# Allegro board WNS_FDM_2V1-1221P2.brd (continued)
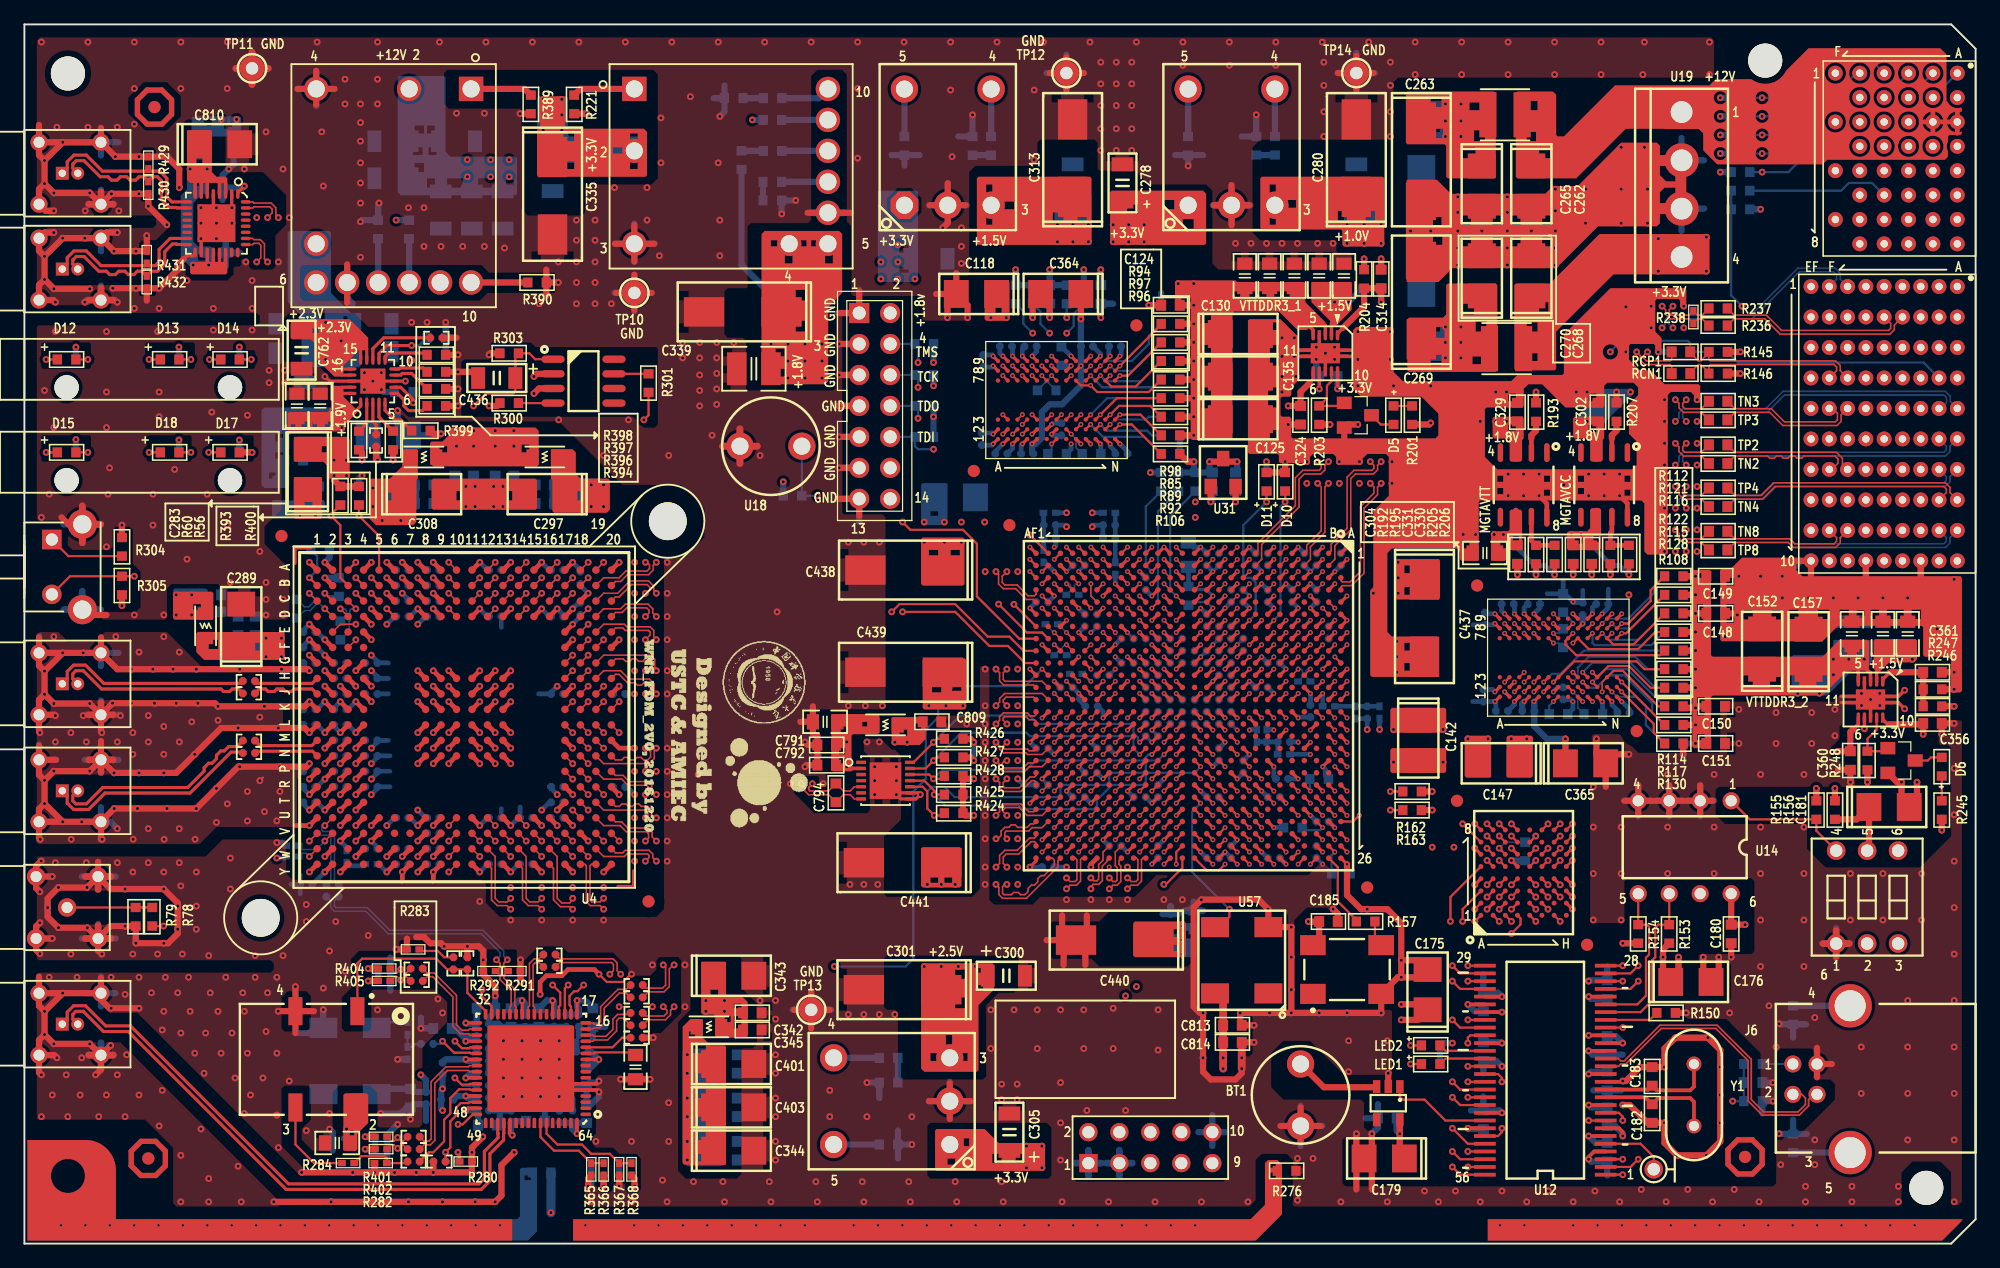
[diagram p0: board, top side]
## Routing (per net, layer and track width the routed paths; a pad name or vN(x,y) marks a point on that pad's centre or on a via; arc(x,y) is an arc through that point) (continued)
DDR3_1_WEN: length 34.8
  TOP w0.178: v1(87.45,52.12) U15.AB5 ; v1(85.83,67.99) U10.H3
  ART08 w0.119: v1(85.83,67.99) 86.23,68.39 86.23,75.18 v2(85.47,75.95)
  ART10 w0.119: v1(85.83,67.99) 86.11,67.99 86.23,67.87 86.23,66.8 86.36,66.67 86.61,66.67 86.74,66.55 86.74,66.29 86.61,66.17 86.36,66.17 86.23,66.04 86.23,65.15 86.36,65.02 86.51,65.02 86.61,64.92 86.61,64.75 86.51,64.64 86.36,64.64 86.23,64.52 86.23,64.32 86.37,64.18 86.56,64.18 86.68,64.06 86.68,63.89 86.56,63.76 86.37,63.76 86.25,63.64 86.25,63.47 86.37,63.35 86.56,63.35 86.68,63.23 86.68,63.06 86.56,62.94 86.37,62.94 86.25,62.81 86.25,62.64 86.37,62.52 86.56,62.52 86.7,62.38 86.7,62.18 86.56,62.04 86.37,62.04 86.23,61.91 86.23,61.71 86.37,61.57 86.56,61.57 86.7,61.43 86.7,61.23 86.56,61.09 86.37,61.09 86.23,60.95 86.23,60.7 86.37,60.56 86.47,60.56 86.61,60.42 86.61,60.22 86.47,60.08 86.37,60.08 86.23,59.94 86.23,59.74 86.37,59.6 86.47,59.6 86.61,59.46 86.61,59.27 86.47,59.13 86.37,59.13 86.23,58.99 86.23,58.79 86.37,58.65 86.47,58.65 86.61,58.51 86.61,58.31 86.47,58.17 86.37,58.17 86.23,58.03 86.23,57.79 86.36,57.66 86.84,57.66 86.96,57.53 86.96,53.71 86.84,53.59 86.61,53.59 86.49,53.47 86.49,53.21 86.57,53.13 87.49,53.13 87.63,52.99 87.63,52.79 87.49,52.65 87.1,52.65 86.96,52.51 86.96,52.24 87.08,52.12 v1(87.45,52.12)
  BOTTOM w0.178: R105.2 v2(85.47,75.95)
DDR3_2_A0: length 45.8
  TOP w0.178: U11.K3 v1(127.78,46.86) ; U15.A9 v1(108.45,49.12)
  ART10 w0.119: v1(108.45,49.12) 109.06,49.12 109.95,50.01 113.76,50.01 114.05,50.29 114.05,52.2 114.55,52.7 125.86,52.7 125.98,52.58 125.98,49.9 126.12,49.76 126.35,49.76 126.49,49.62 126.49,49.42 126.35,49.28 126.12,49.28 125.98,49.14 125.98,48.9 126.11,48.77 129.03,48.77 129.16,48.64 129.16,48.42 129.04,48.3 126.1,48.3 125.98,48.18 125.98,47.94 126.1,47.82 128.91,47.82 129.03,47.7 129.03,47.49 128.91,47.37 127.9,47.37 127.78,47.25 v1(127.78,46.86)
  BOTTOM w0.178: R107.2 133.73,45.59 131.7,47.62 128.55,47.62 v1(127.78,46.86)
DDR3_2_A1: length 44.2
  TOP w0.178: U11.L7 v1(129.38,50.06) ; U15.A8 v1(108.45,50.12)
  ART10 w0.119: v1(129.38,50.06) 129.14,50.06 128.74,50.45 127.6,50.45 127.38,50.67 127.38,51.31 127.51,51.44 127.9,51.44 128.02,51.55 128.02,51.72 127.9,51.84 127.5,51.84 127.38,51.96 127.38,52.2 127.51,52.32 127.64,52.32 127.76,52.44 127.76,52.7 127.63,52.83 127.5,52.83 127.38,52.95 127.38,53.09 127,53.47 114.3,53.47 113.2,52.37 113.2,51.07 113.06,50.93 112.87,50.93 112.73,51.07 112.73,52.2 112.61,52.32 112.37,52.32 112.25,52.2 112.25,51.07 112.11,50.93 111.91,50.93 111.77,51.07 111.77,52.06 111.63,52.2 111.43,52.2 111.29,52.06 111.29,51.07 111.15,50.93 110.96,50.93 110.82,51.07 110.82,52.06 110.68,52.2 110.48,52.2 110.34,52.06 110.34,51.07 110.2,50.93 110,50.93 109.86,51.07 109.86,52.06 109.72,52.2 109.47,52.2 109.35,52.07 109.35,50.67 108.79,50.12 v1(108.45,50.12)
  BOTTOM w0.178: R118.2 132.33,49.53 129.91,49.53 v1(129.38,50.06)
DDR3_2_A2: length 44.6
  TOP w0.178: v1(128.58,46.86) 128.98,46.46 U11.L3 129.89,47.37 131.57,47.37 133.35,45.59 R108.2 ; U15.C9 v1(106.45,49.12)
  ART03 w0.119: v1(128.58,46.86) 127.81,47.62 127.38,47.62 127.13,47.37 126.75,47.37 126.62,47.5 126.62,47.75 126.49,47.88 124.71,47.88 124.08,48.51 120.44,48.51 120.3,48.65 120.3,49.26 120.16,49.4 119.96,49.4 119.82,49.26 119.82,48.65 119.68,48.51 119.43,48.51 119.29,48.65 119.29,50.41 119.15,50.55 118.96,50.55 118.82,50.41 118.82,48.65 118.68,48.51 118.48,48.51 118.34,48.65 118.34,50.41 118.2,50.55 118,50.55 117.86,50.41 117.86,48.65 117.72,48.51 117.47,48.51 117.35,48.64 117.35,49.41 117.23,49.53 116.46,49.53 116.33,49.66 116.33,49.91 116.46,50.04 117.22,50.04 117.35,50.16 117.35,50.42 117.22,50.55 111.12,50.55 111,50.43 111,49.78 110.84,49.62 107.28,49.62 106.78,49.12 v1(106.45,49.12)
DDR3_2_A3: length 47.4
  TOP w0.178: U11.K2 v1(127.78,46.06) ; U15.D9 v1(105.45,49.12)
  ART03 w0.119: v1(127.78,46.06) 127.38,46.46 126.52,46.46 125.98,46.99 124.33,46.99 123.57,47.75 122.17,47.75 122.05,47.62 122.05,47.11 121.93,46.99 121.35,46.99 121.21,47.13 121.21,47.61 121.07,47.75 120.87,47.75 120.73,47.61 120.73,47.13 120.59,46.99 120.39,46.99 120.25,47.13 120.25,47.61 120.11,47.75 119.91,47.75 119.77,47.61 119.77,47.13 119.63,46.99 119.44,46.99 119.3,47.13 119.3,47.61 119.16,47.75 118.96,47.75 118.82,47.61 118.82,47.13 118.68,46.99 118.48,46.99 118.34,47.13 118.34,47.61 118.2,47.75 118,47.75 117.86,47.61 117.86,47.13 117.72,46.99 117.53,46.99 117.39,47.13 117.39,47.61 117.25,47.75 117.05,47.75 116.91,47.61 116.91,47.13 116.77,46.99 116.57,46.99 116.43,47.13 116.43,47.61 116.29,47.75 116.09,47.75 115.95,47.61 115.95,47.13 115.81,46.99 115.62,46.99 115.48,47.13 115.48,47.61 115.34,47.75 115.14,47.75 115,47.61 115,47.13 114.86,46.99 114.66,46.99 114.52,47.13 114.52,47.61 114.38,47.75 114.18,47.75 114.04,47.61 114.04,47.13 113.9,46.99 113.66,46.99 113.54,47.11 113.54,48.64 113.41,48.77 112.01,48.77 111.89,48.64 111.89,48.13 111.63,47.88 109.35,47.88 109.09,47.62 106.17,47.62 105.97,47.83 105.97,48.6 v1(105.45,49.12)
  BOTTOM w0.178: R109.2 133.48,43.56 133.48,44.32 131.19,46.61 129.92,46.61 128.91,45.59 128.24,45.59 v1(127.78,46.06)
DDR3_2_A4: length 45
  TOP w0.178: U15.D8 v1(105.45,50.12) ; U11.L8 v1(129.38,50.86)
  ART10 w0.119: v1(129.38,50.86) 129.78,51.26 129.78,52.06 129.92,52.2 130.68,52.2 130.81,52.32 130.81,54.1 130.68,54.23 130.44,54.23 130.3,54.09 130.3,52.84 130.16,52.7 129.96,52.7 129.82,52.84 129.82,54.09 129.68,54.23 129.43,54.23 129.29,54.09 129.29,53.61 129.15,53.47 128.96,53.47 128.82,53.61 128.82,54.09 128.68,54.23 128.4,54.23 128.27,54.1 128.27,53.72 128.14,53.59 127.89,53.59 127.76,53.72 127.76,54.1 127.64,54.23 113.41,54.23 113.16,53.98 110.24,53.98 107.95,51.69 107.95,50.93 107.66,50.64 105.97,50.64 v1(105.45,50.12)
  BOTTOM w0.127: v1(129.38,50.86) 129.78,51.25 131.14,51.25
  BOTTOM w0.178: 131.14,51.25 131.52,51.25 133.6,53.34 133.6,53.85 R110.2
DDR3_2_A5: length 45.7
  TOP w0.178: v1(128.58,46.06) 128.98,45.66 U11.L2 ; U15.F8 v1(103.45,50.12)
  ART03 w0.119: v1(103.45,50.12) 103.95,49.62 106.65,49.62 106.93,49.91 106.93,50.29 107.26,50.62 108.97,50.62 109.09,50.5 109.09,50.16 109.22,50.04 109.47,50.04 109.6,50.16 109.6,50.93 109.72,51.05 109.99,51.05 110.11,50.93 110.11,50.18 110.25,50.04 110.45,50.04 110.59,50.18 110.59,50.93 110.71,51.05 119.64,51.05 119.76,50.93 119.76,49.91 119.89,49.78 120.65,49.78 120.78,49.66 120.78,49.15 120.9,49.02 121.18,49.02 121.32,49.16 121.32,49.39 121.46,49.53 121.65,49.53 121.79,49.39 121.79,49.16 121.93,49.02 122.13,49.02 122.27,49.16 122.27,49.39 122.41,49.53 122.61,49.53 122.75,49.39 122.75,49.16 122.89,49.02 123.09,49.02 123.23,49.16 123.23,49.39 123.37,49.53 123.56,49.53 123.7,49.39 123.7,49.16 123.84,49.02 124.21,49.02 124.84,48.39 128.91,48.39 129.03,48.27 129.03,48 128.91,47.88 128.68,47.88 128.56,47.76 128.56,47.46 128.68,47.34 129.04,47.34 129.16,47.23 129.16,46.64 v1(128.58,46.06)
  BOTTOM w0.178: R119.2 131.44,47.12 129.64,47.12 v1(128.58,46.06)
DDR3_2_A6: length 43.5
  TOP w0.178: U11.M8 v1(130.18,50.86) ; U15.F9 v1(103.45,49.12)
  ART08 w0.119: v1(130.18,50.86) 129.78,51.26 129.78,51.96 128.27,53.47 116.97,53.47 114.55,51.05 114.2,51.05 114.08,50.93 114.08,49.9 113.96,49.78 113.72,49.78 113.6,49.9 113.6,51.06 113.48,51.18 113.12,51.18 113,51.06 113,50.69 112.86,50.55 112.66,50.55 112.52,50.69 112.52,50.93 112.39,51.05 112.13,51.05 112.01,50.93 112.01,50.67 111.89,50.55 111.63,50.55 111.51,50.67 111.51,50.93 111.39,51.05 111.16,51.05 111.04,50.93 111.04,49.8 110.92,49.68 110.62,49.68 110.5,49.8 110.5,50.68 110.38,50.8 110.15,50.8 110.03,50.68 110.03,49.8 109.85,49.62 103.95,49.62 v1(103.45,49.12)
  BOTTOM w0.127: 131.16,50.45 130.58,50.45 v1(130.18,50.86)
  BOTTOM w0.178: 131.16,50.45 131.73,50.45 R111.2
DDR3_2_A7: length 44.9
  TOP w0.178: v1(130.18,45.26) U11.M2 ; U15.H9 v1(101.45,49.12)
  ART03 w0.119: v1(130.18,45.26) 129.78,44.86 129.78,44.07 128.89,43.18 112.96,43.18 112.82,43.32 112.82,43.55 112.68,43.69 112.48,43.69 112.34,43.55 112.34,43.32 112.2,43.18 112.01,43.18 111.87,43.32 111.87,43.55 111.73,43.69 111.53,43.69 111.39,43.55 111.39,43.32 111.25,43.18 111.05,43.18 110.91,43.32 110.91,43.55 110.77,43.69 110.57,43.69 110.43,43.55 110.43,43.32 110.29,43.18 110.1,43.18 109.96,43.32 109.96,43.55 109.82,43.69 109.62,43.69 109.48,43.55 109.48,43.32 109.34,43.18 109.09,43.18 108.97,43.31 108.97,43.56 108.84,43.69 105.18,43.69 103.97,44.9 103.97,45.38 103.76,45.59 103.25,45.59 101.93,46.91 101.93,48.64 v1(101.45,49.12)
  BOTTOM w0.127: 131.19,44.86 130.58,44.86 v1(130.18,45.26)
  BOTTOM w0.178: R113.2 132.97,42.55 132.97,44.07 132.18,44.86 131.19,44.86
DDR3_2_A8: length 43.5
  TOP w0.178: U15.J10 v1(100.45,48.12) ; R112.2 133.35,53.59 133.35,52.7 131.5,50.86 v1(130.98,50.86) U11.N8
  ART10 w0.119: v1(130.98,50.86) 130.58,50.45 129.12,50.45 128.98,50.6 128.98,51.99 127.13,53.85 114.05,53.85 112.9,52.7 109.47,52.7 108.97,52.2 108.97,50.93 108.68,50.64 108.17,50.64 107.95,50.42 107.95,49.89 107.7,49.64 102.23,49.64 101.98,49.39 101.98,48.9 101.73,48.64 100.97,48.64 v1(100.45,48.12)
DDR3_2_A9: length 44.1
  TOP w0.127: U11.M3 129.38,46.06 v1(129.38,45.26)
  TOP w0.178: U15.G9 v1(102.45,49.12) ; U11.M3 130.31,46.98 131.07,46.98 133.99,44.07 R114.2
  ART03 w0.119: v1(129.38,45.26) 128.98,44.86 128.98,44.14 128.4,43.56 119.06,43.56 118.92,43.7 118.92,43.93 118.78,44.07 118.59,44.07 118.45,43.93 118.45,43.7 118.31,43.56 118.11,43.56 117.97,43.7 117.97,43.93 117.83,44.07 117.63,44.07 117.49,43.93 117.49,43.7 117.35,43.56 117.15,43.56 117.01,43.7 117.01,43.93 116.87,44.07 116.68,44.07 116.54,43.93 116.54,43.7 116.4,43.56 116.2,43.56 116.06,43.7 116.06,43.93 115.92,44.07 115.72,44.07 115.58,43.93 115.58,43.7 115.44,43.56 115.24,43.56 115.1,43.7 115.1,43.93 114.96,44.07 114.77,44.07 114.63,43.93 114.63,43.7 114.49,43.56 114.29,43.56 114.15,43.7 114.15,43.93 114.01,44.07 113.81,44.07 113.67,43.93 113.67,43.7 113.53,43.56 113.28,43.56 113.16,43.69 113.16,43.94 113.03,44.07 105.79,44.07 104.97,44.89 104.97,45.4 103.76,46.61 103.25,46.61 102.93,46.93 102.93,48.64 v1(102.45,49.12)
DDR3_2_A10: length 47.3
  TOP w0.178: U15.H14 v1(101.45,43.12) ; v1(126.98,50.06) U11.H7 126.36,49.44 126.36,49.15 127.25,48.26 134.11,48.26 R115.2
  ART08 w0.119: v1(101.45,43.12) 101.45,43.54 101.85,43.94 104.14,43.94 104.47,43.61 108.91,43.61 109.47,43.05 112.99,43.05 113.13,42.91 113.13,41.8 113.27,41.66 113.47,41.66 113.61,41.8 113.61,42.91 113.75,43.05 113.94,43.05 114.08,42.91 114.08,41.8 114.22,41.66 114.42,41.66 114.56,41.8 114.56,42.91 114.7,43.05 114.9,43.05 115.04,42.91 115.04,41.8 115.18,41.66 115.38,41.66 115.52,41.8 115.52,42.91 115.66,43.05 116.18,43.05 120.93,47.8 124.73,47.8 v1(126.98,50.06)
DDR3_2_A11: length 43.9
  TOP w0.178: R116.2 131.95,49.15 130.29,49.15 U11.M7 v1(130.18,50.06) ; U15.J11 v1(100.45,47.12)
  ART08 w0.119: v1(130.18,50.06) 129.78,50.45 129.21,50.45 128.98,50.69 128.98,52.12 128.02,53.09 117.22,53.09 114.55,50.42 114.55,49.4 114.43,49.28 113.28,49.28 113.16,49.4 113.16,49.91 113.03,50.04 112.01,50.04 111.89,49.91 111.89,49.4 111.76,49.28 109.35,49.28 109.22,49.15 109.22,48.77 109.07,48.62 102.21,48.62 101.98,48.39 101.98,47.88 101.73,47.62 100.96,47.62 v1(100.45,47.12)
DDR3_2_A12: length 45.1
  TOP w0.178: U15.H12 v1(101.45,46.12) ; U11.K7 v1(128.58,50.06)
  ART08 w0.119: v1(101.45,46.12) 101.95,46.62 109.86,46.62 109.98,46.74 109.98,46.87 110.1,46.99 110.37,46.99 110.49,46.87 110.49,46.75 110.63,46.61 110.83,46.61 110.97,46.75 110.97,46.89 111.09,47 111.33,47 111.45,46.89 111.45,46.75 111.59,46.61 111.78,46.61 111.92,46.75 111.92,47.36 112.06,47.5 113.06,47.5 113.2,47.36 113.2,46.75 113.34,46.61 113.54,46.61 113.68,46.75 113.68,47.36 113.82,47.5 114.02,47.5 114.16,47.36 114.16,46.75 114.3,46.61 114.5,46.61 114.64,46.75 114.64,47.36 114.78,47.5 115.57,47.5 115.7,47.62 115.7,50.29 117.6,52.2 125.73,52.2 126.67,51.25 127.94,51.25 128.18,51.01 128.18,50.45 v1(128.58,50.06)
  BOTTOM w0.178: v1(128.58,50.06) 128.58,49.26 128.76,49.09 133.41,49.09 R120.2
DDR3_2_A13: length 43
  TOP w0.178: R117.2 130.98,46.06 v1(130.98,46.06) U11.N3 ; U15.H8 v1(100.45,49.12)
  ART03 w0.119: v1(130.98,46.06) 130.58,45.66 130.58,44.22 129.16,42.8 109.22,42.8 109.04,42.62 105.71,42.62 104.14,44.2 103.63,44.2 102.93,44.89 102.93,45.4 101.73,46.61 101.22,46.61 100.97,46.86 100.97,48.61 v1(100.45,49.12)
DDR3_2_A14: length 42.7
  TOP w0.102: U15.G10 v1(102.45,48.12)
  TOP w0.178: U11.N7 v1(130.98,50.06) 131.34,50.06 R121.2
  ART10 w0.119: v1(102.45,48.12) 102.97,48.64 107.82,48.64 107.95,48.77 107.95,49.4 108.19,49.64 108.95,49.64 109.84,50.53 113.5,50.53 113.62,50.65 113.62,52.27 114.43,53.09 126.37,53.09 126.49,52.96 126.49,50.57 126.61,50.45 127.22,50.45 127.51,50.16 127.51,49.4 127.64,49.28 127.88,49.28 128.14,49.53 128.36,49.53 128.61,49.28 128.84,49.28 129.09,49.53 129.31,49.53 129.57,49.28 129.79,49.28 130.05,49.53 130.27,49.53 130.52,49.28 130.81,49.28 130.98,49.45 v1(130.98,50.06)
DDR3_2_A15: length 46
  TOP w0.178: R122.2 133.73,50.16 132.33,48.77 128.27,48.77 U11.J7 v1(126.98,49.26) ; U15.G14 v1(102.45,43.12)
  ART08 w0.119: v1(126.98,49.26) 125.1,47.37 121.28,47.37 116.97,43.05 116.97,40.76 116.85,40.64 116.19,40.64 116.05,40.78 116.05,40.9 115.93,41.02 115.69,41.02 115.57,40.9 115.57,40.78 115.43,40.64 115.23,40.64 115.09,40.78 115.09,40.9 114.98,41.02 114.74,41.02 114.62,40.9 114.62,40.78 114.48,40.64 114.28,40.64 114.14,40.78 114.14,41.01 114,41.15 113.8,41.15 113.66,41.01 113.66,40.78 113.52,40.64 113.32,40.64 113.18,40.78 113.18,41.01 113.04,41.15 112.85,41.15 112.71,41.01 112.71,40.78 112.57,40.64 112.24,40.64 112.1,40.78 112.1,41.39 111.96,41.53 111.77,41.53 111.63,41.39 111.63,40.78 111.49,40.64 111.24,40.64 111.1,40.78 111.1,41.39 110.96,41.53 110.76,41.53 110.62,41.39 110.62,40.78 110.48,40.64 110.24,40.64 109.09,41.78 109.09,42.42 108.88,42.63 104.27,42.63 103.96,42.94 103.96,43.36 103.7,43.62 102.96,43.62 v1(102.45,43.12)
DDR3_2_BA0: length 37.9
  TOP w0.178: U15.F10 v1(103.45,48.12) ; U11.J2 v1(127.78,45.26)
  ART03 w0.119: v1(103.45,48.12) 103.96,47.61 103.96,46.86 104.21,46.61 104.65,46.61 105.96,45.3 105.96,44.92 106.3,44.58 108.83,44.58 108.96,44.72 108.96,45.09 109.08,45.21 109.32,45.21 109.44,45.09 109.44,44.72 109.58,44.58 109.78,44.58 109.92,44.72 109.92,45.09 110.04,45.21 110.28,45.21 110.4,45.09 110.4,44.72 110.54,44.58 110.74,44.58 110.87,44.72 110.87,45.09 110.99,45.21 111.23,45.21 111.35,45.09 111.35,44.72 111.49,44.58 111.69,44.58 111.83,44.72 111.83,45.09 111.95,45.21 112.19,45.21 112.31,45.09 112.31,44.72 112.45,44.58 112.65,44.58 112.79,44.72 112.79,45.09 112.9,45.21 113.14,45.21 113.26,45.09 113.26,44.72 113.4,44.58 113.61,44.58 113.73,44.7 113.73,45.09 113.83,45.19 114.07,45.19 114.17,45.09 114.17,44.7 114.3,44.58 119.13,44.58 119.25,44.45 119.25,44.06 119.37,43.94 119.55,43.94 119.67,44.06 119.67,44.45 119.79,44.57 119.96,44.57 120.08,44.45 120.08,44.06 120.2,43.94 121.03,43.94 121.16,44.07 121.16,44.46 121.28,44.58 121.55,44.58 121.67,44.46 121.67,44.07 121.79,43.94 124.18,43.94 124.32,44.08 124.32,44.46 124.44,44.58 124.72,44.58 124.84,44.46 124.84,44.07 124.97,43.94 127.13,43.94 127.38,44.2 127.38,44.86 v1(127.78,45.26)
DDR3_2_BA1: length 37.9
  TOP w0.178: U15.G11 v1(102.45,47.12) ; U11.K8 v1(128.58,50.86)
  ART08 w0.119: v1(128.58,50.86) 128.58,51 127.38,52.2 126.36,52.2 125.98,52.58 117.35,52.58 115.19,50.42 115.19,48.13 115.06,48.01 114.81,48.01 114.68,48.13 114.68,48.64 114.55,48.77 114.31,48.77 114.17,48.63 114.17,48.15 114.03,48.01 113.83,48.01 113.69,48.15 113.69,48.63 113.55,48.77 111.98,48.77 111.84,48.63 111.84,48.02 111.7,47.88 111.5,47.88 111.36,48.02 111.36,48.65 111.24,48.77 111,48.77 110.88,48.65 110.88,47.76 110.74,47.62 110.55,47.62 110.41,47.76 110.41,48.63 110.27,48.77 109.98,48.77 109.86,48.64 109.86,47.75 109.73,47.62 102.96,47.62 v1(102.45,47.12)
DDR3_2_BA2: length 38
  TOP w0.178: U15.B9 v1(107.45,49.12) ; v1(126.98,46.86) 127.38,46.46 U11.J3
  ART03 w0.119: v1(126.98,46.86) 126.62,46.86 126.11,47.37 124.59,47.37 123.83,48.13 117.01,48.13 116.87,48.27 116.87,49.01 116.73,49.15 116.53,49.15 116.39,49.01 116.39,48.27 116.25,48.13 116,48.13 115.86,48.27 115.86,49.9 115.72,50.04 115.53,50.04 115.39,49.9 115.39,48.27 115.25,48.13 115.05,48.13 114.91,48.27 114.91,49.9 114.77,50.04 114.57,50.04 114.43,49.9 114.43,48.27 114.29,48.13 114.05,48.13 113.92,48.26 113.92,49.02 113.79,49.15 113.28,49.15 113.16,49.28 113.16,49.48 113.27,49.59 113.8,49.59 113.92,49.71 113.92,49.91 113.79,50.04 111.63,50.04 111.51,49.91 111.51,48.39 111.38,48.26 111.12,48.26 111,48.38 111,49.01 110.88,49.13 110.61,49.13 110.49,49.01 110.49,48.38 110.37,48.26 110.13,48.26 110.01,48.38 110.01,49.03 109.9,49.15 109.66,49.15 109.54,49.03 109.54,48.38 109.42,48.26 109.18,48.26 109.06,48.38 109.06,48.5 108.94,48.62 107.95,48.62 v1(107.45,49.12)
DDR3_2_CASN: length 47.5
  TOP w0.178: v1(125.38,46.06) U11.G3 127.08,47.75 132.21,47.75 132.84,47.12 R128.2 ; U15.D10 v1(105.45,48.12)
  ART10 w0.119: v1(105.45,48.12) 105.8,48.12 105.97,47.96 105.97,46.86 104.95,45.85 104.95,40.97 105.28,40.64 105.79,40.64 106.81,39.62 109.65,39.62 110.03,40.01 111.12,40.01 111.76,40.64 120.14,40.64 121.54,42.04 122.82,42.04 122.94,42.16 122.94,42.55 123.06,42.67 123.32,42.67 123.44,42.55 123.44,42.16 123.57,42.04 123.83,42.04 123.95,42.16 123.95,43.7 124.07,43.81 124.35,43.81 124.46,43.7 124.46,42.79 124.58,42.67 124.84,42.67 124.98,42.81 124.98,45.66 v1(125.38,46.06)
DDR3_2_CKE: length 37.9
  TOP w0.102: v1(125.38,51.66) U11.G9
  TOP w0.178: U15.E13 v1(104.45,45.12)
  ART08 w0.119: v1(104.45,45.12) 104.95,45.62 109.63,45.62 109.77,45.76 109.77,45.96 109.91,46.1 110.11,46.1 110.25,45.96 110.25,45.76 110.39,45.62 110.59,45.62 110.73,45.76 110.73,45.96 110.87,46.1 111.07,46.1 111.21,45.96 111.21,45.76 111.35,45.62 111.54,45.62 111.68,45.76 111.68,45.96 111.82,46.1 112.02,46.1 112.16,45.96 112.16,45.76 112.3,45.62 112.5,45.62 112.64,45.76 112.64,45.96 112.78,46.1 112.98,46.1 113.12,45.96 113.12,45.76 113.26,45.62 113.45,45.62 113.59,45.76 113.59,45.96 113.73,46.1 113.93,46.1 114.07,45.96 114.07,45.76 114.21,45.62 114.58,45.62 116.59,47.62 116.59,48.01 116.47,48.13 116.32,48.13 116.2,48.25 116.2,48.52 116.32,48.64 117.73,48.64 117.86,48.77 117.86,49.02 117.73,49.15 116.32,49.15 116.2,49.27 116.2,49.54 116.32,49.66 117.86,49.66 117.97,49.77 117.97,51.1 118.06,51.18 118.37,51.18 118.49,51.06 118.49,49.78 118.62,49.66 118.87,49.66 119,49.78 119,51.06 119.12,51.18 119.39,51.18 119.51,51.06 119.51,50.41 119.63,50.29 119.89,50.29 120.02,50.42 120.02,51.05 120.21,51.25 124.98,51.25 v1(125.38,51.66)
DDR3_2_CKN: length 38.9
  TOP w0.102: U11.G7 v1(125.38,50.06)
  TOP w0.124: U15.H13 v1(101.45,45.12)
  ART08 w0.109: v1(101.45,45.12) 101.09,45.12 100.98,45.01 100.98,44.74 101.09,44.64 111.02,44.64 111.53,44.13 111.95,44.13 112.46,44.64 113.13,44.64 113.64,44.13 114.06,44.13 114.57,44.64 115.06,44.64 115.43,44.27 115.64,44.27 115.89,44.52 115.89,44.78 115.57,45.11 115.57,45.65 116.02,46.1 116.57,46.1 117.04,45.63 117.38,45.63 117.57,45.81 117.57,46.16 117.09,46.63 117.09,47.18 117.52,47.6 118.06,47.6 118.54,47.12 118.75,47.12 119.06,47.43 119.06,47.65 118.58,48.13 118.58,48.54 119.07,49.02 119.51,49.02 119.89,48.64 120.24,48.64 120.41,48.81 120.41,49.24 120.76,49.59 121.43,49.59 121.78,49.24 121.78,48.81 121.95,48.64 122.25,48.64 122.42,48.81 122.42,49.24 122.77,49.59 123.44,49.59 123.79,49.24 123.79,48.81 123.95,48.64 124.27,48.64 124.46,48.83 124.46,49.49 124.75,49.78 125.27,49.78 125.38,49.89 v1(125.38,50.06)
  BOTTOM w0.124: R123.2 125.82,50.06 v1(125.38,50.06)
DDR3_2_CKP: length 39
  TOP w0.124: U11.F7 v1(125.38,49.26) ; U15.J13 v1(100.45,45.12)
  ART08 w0.109: v1(100.45,45.12) 100.67,44.9 100.67,44.62 100.96,44.32 110.89,44.32 111.4,43.81 112.08,43.81 112.59,44.32 113,44.32 113.51,43.81 114.19,43.81 114.7,44.32 114.94,44.32 115.3,43.96 115.77,43.96 116.2,44.39 116.2,44.91 115.88,45.24 115.88,45.52 116.15,45.79 116.44,45.79 116.91,45.32 117.51,45.32 117.88,45.68 117.88,46.28 117.41,46.76 117.41,47.05 117.65,47.29 117.93,47.29 118.41,46.81 118.88,46.81 119.37,47.3 119.37,47.78 118.9,48.26 118.9,48.41 119.19,48.71 119.38,48.71 119.76,48.33 120.37,48.33 120.72,48.68 120.72,49.11 120.89,49.28 121.3,49.28 121.46,49.11 121.46,48.68 121.82,48.33 122.38,48.33 122.73,48.68 122.73,49.11 122.9,49.28 123.31,49.28 123.47,49.11 123.47,48.68 123.82,48.33 124.4,48.33 124.77,48.7 124.77,49.36 124.88,49.47 125.17,49.47 v1(125.38,49.26)
  BOTTOM w0.124: 126.18,48.9 125.82,49.26 v1(125.38,49.26)
DDR3_2_CSN: length 40.3
  TOP w0.178: U15.F12 v1(103.45,46.12) ; v1(126.98,45.26) U11.H2
  ART10 w0.119: v1(103.45,46.12) 103.95,45.62 103.95,40.83 106.17,38.61 109.35,38.61 110.36,39.62 110.87,39.62 111,39.5 111,39.12 111.12,38.99 111.38,38.99 111.51,39.12 111.51,39.78 111.86,40.13 112.81,40.13 112.95,39.99 112.95,39.64 113.09,39.5 113.29,39.5 113.43,39.64 113.43,39.99 113.57,40.13 113.77,40.13 113.91,39.99 113.91,39.64 114.05,39.5 114.24,39.5 114.38,39.64 114.38,39.99 114.52,40.13 114.72,40.13 114.86,39.99 114.86,39.64 115,39.5 115.2,39.5 115.34,39.64 115.34,39.99 115.48,40.13 122.94,40.13 126.49,43.69 126.49,44.77 v1(126.98,45.26)
  BOTTOM w0.127: 127.89,43.43 127.38,43.94 127.38,44.86 v1(126.98,45.26)
DDR3_2_DM: length 27.5
  TOP w0.178: U11.B7 v1(121.38,50.06) ; U15.C14 v1(106.45,43.12)
  ART10 w0.119: v1(121.38,50.06) 119.38,50.06 119.25,50.18 119.25,50.93 119.13,51.05 118.94,51.05 118.81,50.93 118.81,50.16 118.7,50.06 118.47,50.06 118.36,50.16 118.36,50.93 118.24,51.05 118.04,51.05 117.9,50.91 117.9,50.54 117.78,50.42 117.54,50.42 117.42,50.54 117.42,50.91 117.28,51.05 117.08,51.05 116.94,50.91 116.94,50.54 116.82,50.42 116.65,50.42 116.53,50.54 116.53,50.91 116.39,51.05 116.2,51.05 116.08,50.93 116.08,47.88 115.7,47.5 114.17,47.5 114.05,47.37 114.05,46.1 113.79,45.85 108.97,45.85 108.76,45.64 108.25,45.64 107.95,45.34 107.95,44.45 107.57,44.07 106.68,44.07 106.45,43.84 v1(106.45,43.12)
DDR3_2_DQ0: length 27.5
  TOP w0.178: U15.B15 v1(107.45,42.12) ; U11.B3 v1(121.38,46.06)
  ART10 w0.119: v1(121.38,46.06) 119.34,46.06 117.73,44.45 116.96,44.45 116.67,44.16 116.67,43.55 116.55,43.43 116.31,43.43 116.19,43.55 116.19,44.08 116.07,44.2 115.81,44.2 115.69,44.08 115.69,43.32 115.55,43.18 115.35,43.18 115.21,43.32 115.21,43.8 115.07,43.94 114.87,43.94 114.73,43.8 114.73,43.32 114.59,43.18 114.39,43.18 114.25,43.32 114.25,43.8 114.11,43.94 113.92,43.94 113.78,43.8 113.78,43.32 113.64,43.18 113.44,43.18 113.3,43.32 113.3,43.8 113.16,43.94 112.96,43.94 112.82,43.8 112.82,43.32 112.68,43.18 112.48,43.18 112.34,43.32 112.34,43.8 112.2,43.94 112.01,43.94 111.87,43.8 111.87,43.32 111.73,43.18 111.53,43.18 111.39,43.32 111.39,43.8 111.25,43.94 111.05,43.94 110.91,43.8 110.91,43.32 110.77,43.18 110.57,43.18 110.43,43.32 110.43,43.8 110.29,43.94 110.1,43.94 109.96,43.8 109.96,43.32 109.82,43.18 109.62,43.18 109.48,43.32 109.48,43.8 109.34,43.94 109.09,43.94 108.97,43.81 108.97,42.8 108.79,42.62 107.57,42.62 107.45,42.5 v1(107.45,42.12)
DDR3_2_DQ1: length 27.5
  TOP w0.178: U11.C7 v1(122.18,50.06) ; U15.A13 v1(108.45,45.12)
  ART10 w0.119: v1(108.45,45.12) 108.67,45.34 108.97,45.34 109.09,45.47 114.3,45.47 114.43,45.59 114.43,46.99 114.55,47.12 114.8,47.12 114.94,46.98 114.94,46.24 115.08,46.1 115.28,46.1 115.42,46.24 115.42,46.98 115.56,47.12 116.2,47.12 116.46,47.37 116.46,49.91 116.59,50.04 116.78,50.04 116.9,49.91 116.9,48.38 117.02,48.26 117.23,48.26 117.35,48.38 117.35,49.91 117.47,50.04 117.73,50.04 117.86,49.91 117.86,48.38 117.98,48.26 118.24,48.26 118.36,48.38 118.36,49.41 118.48,49.53 122.06,49.53 122.18,49.65 v1(122.18,50.06)
DDR3_2_DQ2: length 27.5
  TOP w0.178: U11.C2 v1(122.18,45.26) ; U15.A15 v1(108.45,42.12)
  ART10 w0.119: v1(122.18,45.26) 121.78,45.66 119.47,45.66 119.1,45.28 119.1,45.11 119.87,44.34 119.87,44.12 119.68,43.93 119.52,43.93 118.7,44.75 118.53,44.75 118.32,44.53 118.32,44.37 118.55,44.13 118.55,44.13 118.62,44.07 118.62,44.07 119.04,43.65 119.04,43.48 118.89,43.33 118.72,43.33 117.94,44.11 117.77,44.11 117.62,43.96 117.62,43.79 118.05,43.36 118.05,43.24 117.88,43.07 117.71,43.07 117.31,43.48 117.14,43.48 116.97,43.31 116.97,43.12 117.35,42.73 117.35,42.55 117.22,42.42 116.97,42.42 116.65,42.74 115.48,42.74 115.34,42.6 115.34,42.16 115.22,42.04 114.98,42.04 114.86,42.16 114.86,42.62 114.74,42.74 114.5,42.74 114.38,42.62 114.38,42.18 114.24,42.04 114.05,42.04 113.91,42.18 113.91,42.62 113.79,42.74 113.55,42.74 113.43,42.62 113.43,42.18 113.29,42.04 113.09,42.04 112.95,42.18 112.95,42.6 112.81,42.74 109.47,42.74 109.35,42.62 109.35,42.24 109.23,42.12 v1(108.45,42.12)
DDR3_2_DQ3: length 27.5
  TOP w0.178: U11.C8 v1(122.18,50.86) ; U15.B12 v1(107.45,46.12)
  ART10 w0.119: v1(122.18,50.86) 121.78,51.25 120.2,51.25 120.02,51.44 120.02,51.7 119.9,51.82 115.06,51.82 114.94,51.69 114.94,51.44 115.07,51.3 115.2,51.3 115.32,51.18 115.32,50.94 115.2,50.83 115.07,50.83 114.94,50.69 114.94,50.41 115.05,50.29 115.2,50.29 115.32,50.17 115.32,49.9 115.2,49.78 114.94,49.78 114.55,49.4 114.55,48.64 114.17,48.26 113.28,48.26 113.16,48.14 113.16,47.62 113.03,47.5 111.98,47.5 111.84,47.64 111.84,48.27 111.72,48.39 111.48,48.39 111.36,48.27 111.36,47.36 111.24,47.24 110.99,47.24 110.87,47.36 110.87,48.27 110.75,48.39 110.48,48.39 110.36,48.27 110.36,47.36 110.24,47.24 109.98,47.24 109.86,47.37 109.86,48.26 109.73,48.39 109.47,48.39 109.35,48.26 109.35,47.24 108.71,46.61 107.94,46.61 v1(107.45,46.12)